# Altium PCB 400151.PcbDoc (part 2 of 2)
Units mil, origin at the board's own origin, x right, y up, seen from the top; angles counter-clockwise.
Board outline 2639.89 x 2761.94 mil, 4 copper layers (Top Layer, Mid-Layer 1, Mid-Layer 2, Bottom Layer), stack 61.6 mil thick; 144 components, 111 nets, 444 pads, 265 vias.
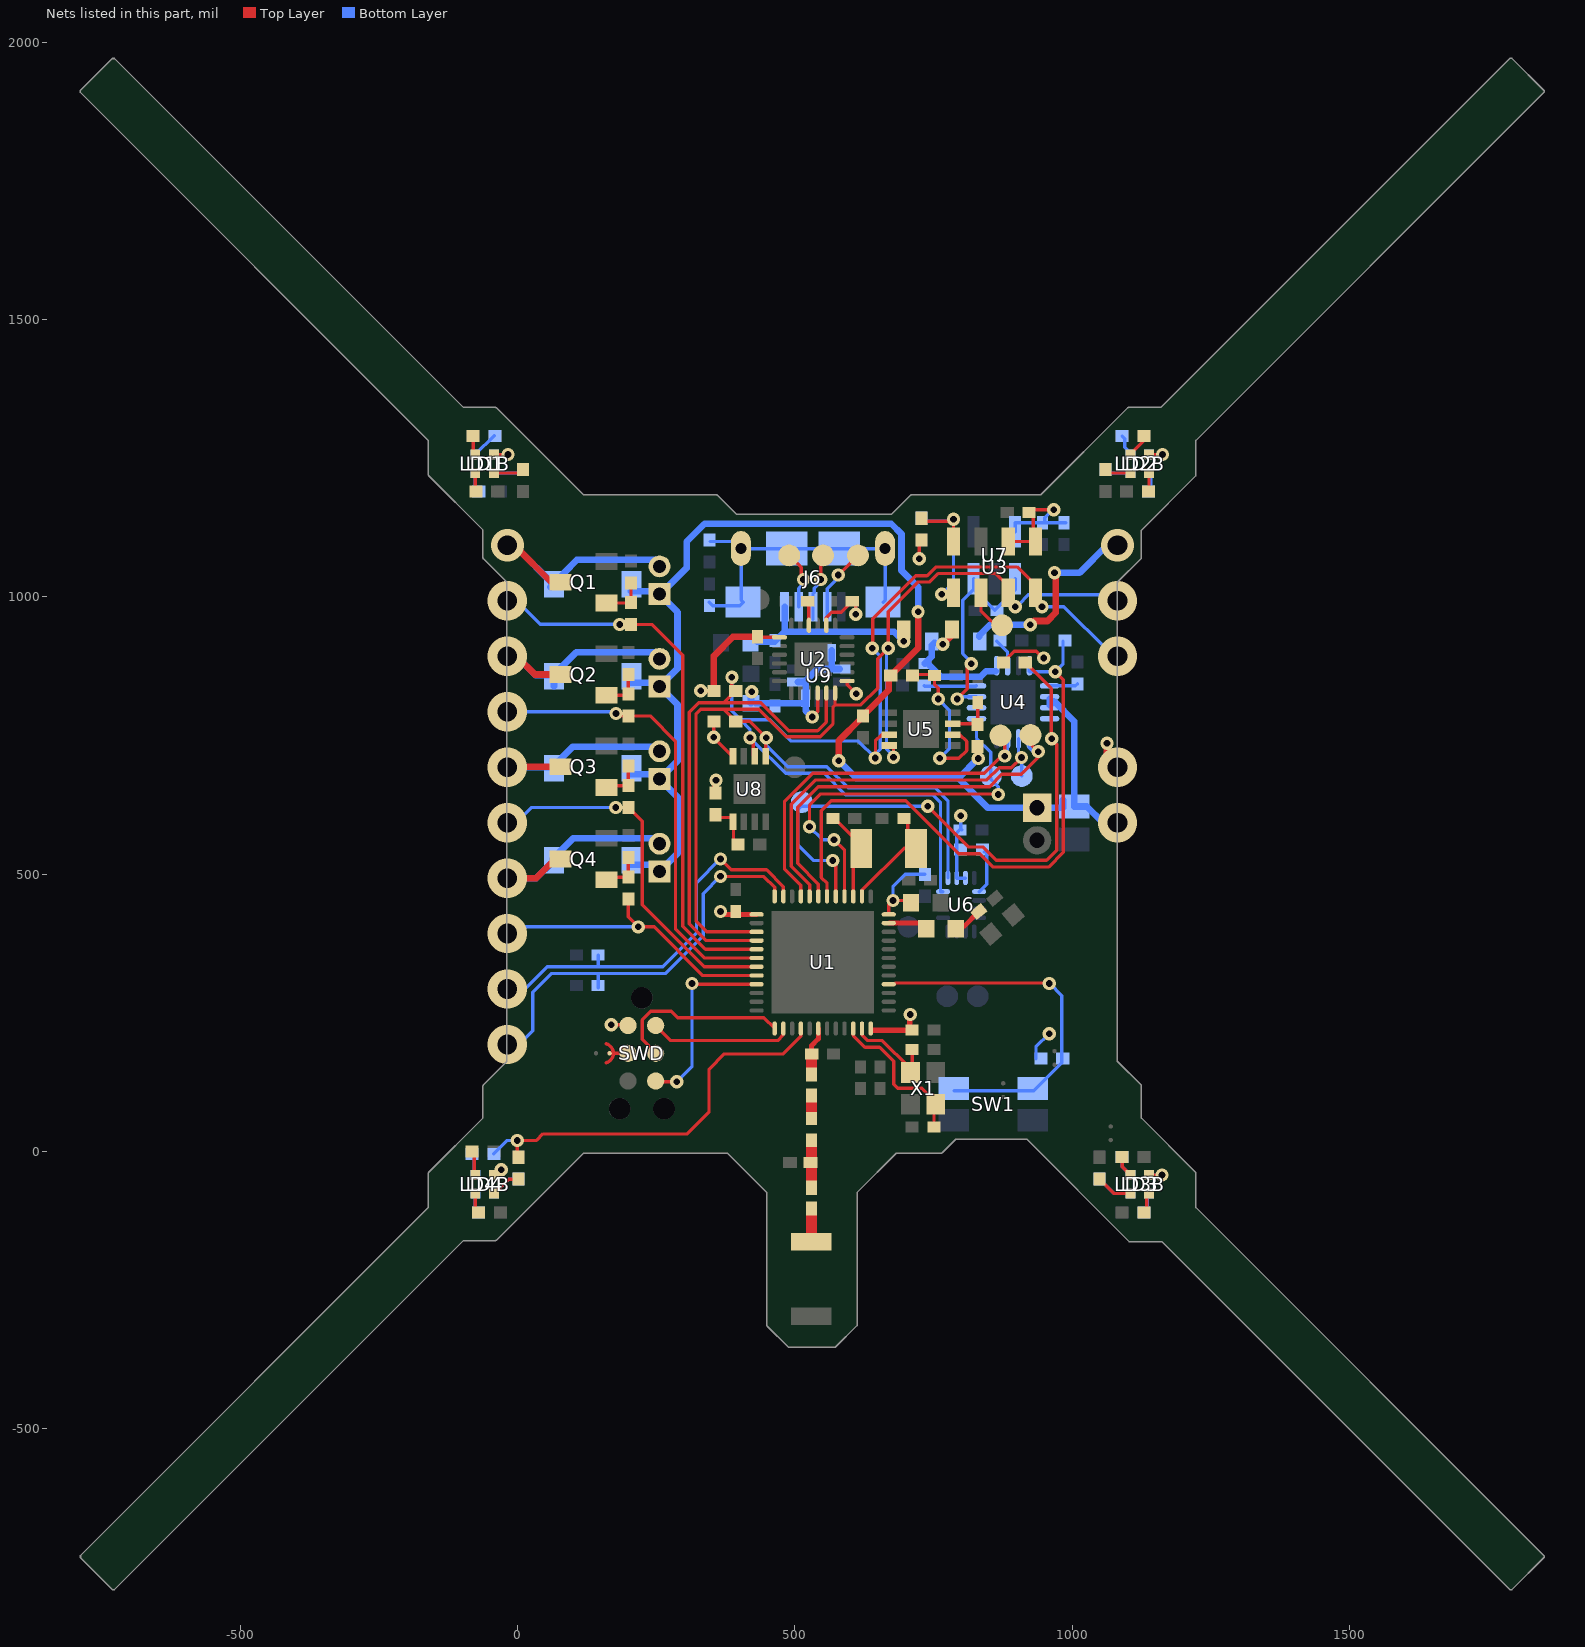
[diagram p4: the nets of this part, all layers, seen from the top]

## Via types
v1: diameter 24, hole 12, Top Layer to Bottom Layer, tented both sides, 222 vias
v2: diameter 70.87, hole 35.43, Top Layer to Bottom Layer, 18 vias
v3: diameter 25.98, hole 12.99, Top Layer to Bottom Layer, tented both sides, 16 vias
v4: diameter 59.06, hole 35.43, Top Layer to Bottom Layer, 5 vias
v5: diameter 24, hole 12, Top Layer to Bottom Layer, 4 vias

## Nets (pads, with @x,y where several pads share a name; then routed paths per layer and width w, separated by ;. In a path a pad name is that pad's centre, name@x,y a point inside that pad or via, vN(x,y) a via of type N, cw(c..) or ccw(c..) an arc to the next point about the centre after c; other vN are vias at no path point) (continued)
LED4_RED: R33.1 R33B.1 U1.28 | length 730.9
  Top Layer w6: R33.1@0,-10.32 v1(0,20) 34.53,20 46.21,31.68 306.05,31.68 345.66,71.29 345.66,148.69 372.97,176 479.2,176 511.13,207.93 U1.28@511.13,221.91
  Bottom Layer w6: R33B.1@-42.32,-4 -18.32,20 v1(0,20)
M1: D1.1 J1.2 Q1.3 | length 450.8
  Top Layer w12: v4@-7.29,1085 -2.22,1089.82 61.18,1026.42 Q1.3@77.9,1026.42 Q1.3@80,1024.32
  Bottom Layer w12: v4@-7.29,1085 2.6,1085 64.23,1023.37 66.04,1025.67 D1.1@66.04,1023.01 ; D1.1@62.5,1022.5 59.86,1017.86 107.47,1066.93 251.7,1066.93 256.4,1062.23 J1.2@256.4,1055
  other v4: -18,1093
M2: D2.1 J2.2 Q2.3 | length 422.7
  Top Layer w12: v2@-1.29,893 31.63,860.08 Q2.3@77.9,860.08
  Bottom Layer w12: v2@-1.29,893 33.14,858.58 64.48,858.58 D2.1@66.04,857.01 D2.1@66.04,838.96 ; D2.1@55,860 65.9,860 105.9,900 256.4,900 J2.2@256.4,888.33
  other v2: -18,893
M3: D3.1 J3.2 Q3.3 | length 377.6
  Top Layer w12: v2@-11.13,693 v2@-10.39,693.74 ; v2@-0.55,693.74 Q3.3@77.9,693.74 Q3.3@85,700.84
  Bottom Layer w12: v2@-1.29,693 59.01,693 D3.1@61,691 ; D3.1@66.04,691 D3.1@61,691 ; J3.2@256.4,721.67 256.4,730 100,730 D3.1@61,691
  other v2: -18,693
M4: D4.1 J4.2 Q4.3 | length 400.3
  Top Layer w6: Q4.3@76.04,529.26 Q4.3@77.9,527.4
  Top Layer w12: v2@-1.29,493 34,493 68.4,527.4 Q4.3@77.9,527.4
  Bottom Layer w12: v2@-1.29,493 34.04,493 63.3,522.26 D4.1@63.3,527.4 ; D4.1@66.04,525 63.64,527.4 D4.1@63.3,527.4 ; J4.2@256.4,555 256.4,565 100.9,565 D4.1@63.3,527.4
  other v2: -18,493
MOTOR1: R2.1 U1.17 | length 974.5
  Top Layer w6: v1(184.68,950.31) R2.1@205,950.31 ; R2.1@210,950.31 242.68,950.31 298,895 298,405.79 339.17,364.62 U1.17@431.41,364.62
  Bottom Layer w6: v2@-1.29,993 41.29,950.42 184.58,950.42 v1(184.68,950.31)
  other v2: -18,993
MOTOR2: R3.1 U1.18 | length 811.7
  Top Layer w6: v1@177.43,790 v1(177.75,789.68) 177.75,787.25 179.68,785.31 R3.1@200,785.31 ; R3.1@205,785.31 239.42,785.31 285.08,739.66 285.08,709.78 285,709.7 285,695.16 285.08,695.08 285.08,648.25 285,648.17 285,566.96 285.08,566.88 285.08,543.12 285,543.04 285,528.5 285.08,528.41 285.08,401.73 337.94,348.87 U1.18@431.41,348.87
  Bottom Layer w6: v2@-1.29,793 174.43,793 v1(177.75,789.68)
  other v2: -18,793
MOTOR3: R6.1 U1.19 | length 655.7
  Top Layer w6: v1@172.43,625 v1(177.11,620.31) R6.1@200,620.31 ; R6.1@205,620.31 205,615.31 225,595.31 225,444.85 336.72,333.13 U1.19@431.41,333.13
  Bottom Layer w6: v2@-1.29,593 26.03,620.31 v1(177.11,620.31)
  other v2: -18,593
MOTOR4: R7.1 U1.20 | length 533.8
  Top Layer w6: R7.1@205,455.31 200,450.31 200,423 v1(218,405) 246.57,405 334.2,317.38 U1.20@431.41,317.38
  Bottom Layer w6: v2@-1.29,393 10.71,405 v1(218,405)
  other v2: -18,393
NetA1_1: A1.1 L4.2 | length 60.6
  Top Layer w20: A1.1@530,-163.07 530.5,-162.57 L4.2@530.5,-102.64
NetC3_2: C3.2 L1.1 U1.30 | length 86.6
  Top Layer w9: C3.2@530.43,175.68 530.43,191.01 542.63,203.21 U1.30@542.63,221.91
  Top Layer w20: L1.1@530.63,140.69 C3.2@530.63,176
NetC16_1: C16.1 D5.3 D6.3 U4.13 | length 210.4
  Top Layer w12: v1(766.73,914.37) 783.46,931.11 D6.3@783.46,937.01
  Bottom Layer w12: C16.1@734.65,880 747.05,892.39 747.05,912.4 D5.3@751.97,917.32 ; C16.1@740,880 764.03,855.96 835.29,855.96 845.47,866.14 U4.13@862.2,866.14
NetC18_2: C18.2 R30.2 U5.2 | length 315.3
  Top Layer w6: R30.2@712.6,860 751.97,860 751.97,842.52 759,835.49 v1(759,816) ; v1(761.61,709.13) 796.13,709.13 810,723 810,739.34 797.53,751.81 U5.2@784.8,751.81
  Bottom Layer w6: v1@757.49,705 v1(761.61,709.13) 779,726.51 779,796 v1(759,816)
NetC19_2: C19.2 J6.6@403.08,1087.31 J6.6@407.02,990.86 J6.6@485.76,1087.31 J6.6@580.24,1087.31 J6.6@658.98,990.86 J6.6@662.92,1087.31 R12.2 | length 584.2
  Bottom Layer w6: C19.2@346.22,990.47 352.43,984.25 401.33,984.25 J6.6@407.52,990.43 ; R12.2@347.2,1100 390.47,1100 J6.6@403.58,1086.89 ; J6.6@407.48,990.47 403.58,994.37 J6.6@403.58,1086.89 ; J6.6@659.48,990.43 663.42,994.37 663.42,1086.89 J6.6@403.58,1086.89
NetC22_2: C22.2 R24.1 U5.3 | length 84.6
  Top Layer w6: U5.3@784.8,771.5 829.85,771.5 829.85,808.5 C22.2@831.66,810.31
NetC25_2: C25.2 U2.10 | length 40
  Top Layer w6: C25.2@521.65,987.2 525.59,983.27 U2.10@525.59,948.82
NetC29_2: C29.2 L4.1 L5.2 | length 82
  Top Layer w20: L4.1@530.5,-65.24 L5.2@530.5,-21.8 ; L5.2@530.5,-18.2 C29.2@530.5,20.31
NetJ6_2: J6.2 TP17.1 | length 111.9
  Top Layer w6: TP17.1@488.19,1076.77 511.81,1053.15 511.81,1031.5 v1(515.75,1031.5)
  Bottom Layer w6: J6.2@507.41,982 507.41,1015.28 515.75,1023.62 v1(515.75,1031.5)
NetJ6_3: J6.3 TP16.1 | length 126.1
  Top Layer w6: TP16.1@535.43,1074.8 547.24,1062.99 v1(547.24,1031.5)
  Bottom Layer w6: J6.3@533,959.5 J6.3@533,982 533,1005.44 535.43,1007.87 535.43,1015.75 543.31,1023.62 543.31,1027.56 v1(547.24,1031.5)
NetJ6_4: J6.4 TP2.1 | length 137.4
  Top Layer w6: v1(578.74,1039.37) 606.3,1066.93 TP2.1@598.43,1074.8
  Bottom Layer w6: J6.4@558.59,960.41 J6.4@558.59,982 558.59,1014.56 578.74,1034.71 v1(578.74,1039.37)
NetL2_1: L2.1 L3.2 | length 59.4
  Top Layer w9: L2.1@786.42,409.45 L2.1@790.35,405.51 ; L2.1@789.62,405.51 L2.1@790.35,405.51 ; L3.2@832.13,432.86 804.78,405.51 L2.1@790.35,405.51
NetL2_2: L2.2 U1.47 | length 62.5
  Top Layer w9: U1.47@670.8,411.87 L2.2@733.27,411.87
NetLD1_1: LD1.1 R10.2 | length 54.9
  Top Layer w6: LD1.1@-42.32,1223.43 3.74,1223.43 R10.2@10,1229.69
NetLD1_2: LD1.2 R11.2 | length 24.7
  Top Layer w6: R11.2@-79.69,1280 -79.69,1260.79 LD1.2@-75.79,1256.89
NetLD1_3: LD1.3 R15.2 | length 36
  Top Layer w6: LD1.3@-75.79,1223.43 -75.79,1196.1 R15.2@-69.69,1190
NetLD1B_1: LD1B.1 R10B.2 | length 48
  Bottom Layer w6: LD1B.1@-75.79,1256.89 R10B.2@-41.83,1290.85
NetLD1B_2: LD1B.2 R11B.2 | length 54.9
  Bottom Layer w6: LD1B.2@-42.33,1223.42 3.74,1223.42 R11B.2@10,1229.69
NetLD1B_3: LD1B.3 R15B.2 | length 36
  Bottom Layer w6: LD1B.3@-75.79,1223.42 -75.79,1196.11 R15B.2@-69.69,1190
NetLD2_1: LD2.1 R16.2 | length 33.8
  Top Layer w6: LD2.1@1138.78,1223.43 1138.78,1190.91 R16.2@1139.69,1190
NetLD2_2: LD2.2 R17.2 | length 43.2
  Top Layer w6: LD2.2@1105.31,1256.89 1129.69,1281.26 R17.2@1129.69,1290
NetLD2_3: LD2.3 R18.2 | length 47.9
  Top Layer w6: R18.2@1060,1229.69 1066.26,1223.43 LD2.3@1105.31,1223.43
NetLD2B_1: LD2B.1 R16B.2 | length 40.7
  Bottom Layer w6: R16B.2@1090.31,1290 1095,1285.31 1095,1270 LD2B.1@1108.27,1256.73
NetLD2B_2: LD2B.2 R17B.2 | length 34.1
  Bottom Layer w6: R17B.2@1139.69,1190 1141.73,1192.05 LD2B.2@1141.73,1223.27
NetLD2B_3: LD2B.3 R18B.2 | length 50.9
  Bottom Layer w6: R18B.2@1060,1229.69 1066.42,1223.27 LD2B.3@1108.27,1223.27
NetLD3_1: LD3.1 R28.2 | length 38.6
  Top Layer w6: R28.2@1130.3,-110 R28.2@1129.69,-110 1135,-104.69 1135,-79.57 LD3.1@1138.78,-75.79
NetLD3_2: LD3.2 R31.2 | length 38.5
  Top Layer w6: R31.2@1090.31,-10 1090.31,-27.32 LD3.2@1105.31,-42.32
NetLD3_3: LD3.3 R32.2 | length 66.1
  Top Layer w6: R32.2@1050,-49.69 1076.1,-75.79 LD3.3@1105.31,-75.79
NetLD3B_1: LD3B.1 R28B.2 | length 38.5
  Bottom Layer w6: R28B.2@1090.31,-10 1090.31,-27.31 LD3B.1@1105.27,-42.27
NetLD3B_2: LD3B.2 R31B.2 | length 38
  Bottom Layer w6: R31B.2@1129.69,-110 1135.83,-103.86 1135.83,-78.64 LD3B.2@1138.73,-75.73
NetLD3B_3: LD3B.3 R32B.2 | length 66.1
  Bottom Layer w6: R32B.2@1050,-49.69 1076.05,-75.73 LD3B.3@1105.27,-75.73
NetLD4_1: LD4.1 R33.2 | length 53.1
  Top Layer w6: LD4.1@-42.32,-75.79 -42.09,-75.79 -15.99,-49.69 R33.2@0,-49.69
NetLD4_2: LD4.2 R34.2 | length 40.8
  Top Layer w6: R34.2@-81.69,-4 -78,-7.69 -78,-40.11 LD4.2@-75.79,-42.32
NetLD4_3: LD4.3 R35.2 | length 36.6
  Top Layer w6: LD4.3@-75.79,-75.79 -75.79,-104.21 R35.2@-70,-110
NetLD4B_1: LD4B.1 R33B.2 | length 40.7
  Bottom Layer w6: R33B.2@-81.69,-4 -78,-7.69 -78,-40 LD4B.1@-75.73,-42.27
NetLD4B_2: LD4B.2 R34B.2 | length 53.1
  Bottom Layer w6: LD4B.2@-42.27,-75.73 -42.03,-75.73 -15.99,-49.69 R34B.2@0,-49.69
NetLD4B_3: LD4B.3 R35B.2 | length 36.6
  Bottom Layer w6: LD4B.3@-75.73,-75.73 -75.73,-104.27 R35B.2@-70,-110
NetQ1_1: Q1.1 R2.2 R4.2 | length 89.4
  Top Layer w6: Q1.1@160.58,989.01 205.86,989.01 206.86,990.01 204.72,992.15 204.72,1028.51 R4.2@207.04,1030.83
NetQ2_1: Q2.1 R3.2 R5.2 | length 82.9
  Top Layer w6: Q2.1@160.58,822.68 200,822.68 200,856.78 R5.2@206.02,862.81 ; R3.2@206.46,823.91 R3.2@207.04,824.49
NetQ3_1: Q3.1 R6.2 R8.2 | length 85.1
  Top Layer w6: Q3.1@160.58,656.34 163.69,659.45 203.08,659.45 200,662.53 200,689.78 R8.2@206.86,696.63
NetQ4_1: Q4.1 R7.2 R9.2 | length 81.8
  Top Layer w6: Q4.1@160.58,490 165.26,494.69 201.67,494.69 200,496.36 200,522.77 R9.2@207.04,529.81
NetR1_1: R1.1 U4.12 | length 94.4
  Bottom Layer w6: R1.1@733.67,840 734.67,839 826.26,839 U4.12@827.26,840
NetR21_1: R21.1 U4.14 | length 52.1
  Bottom Layer w6: R21.1@864.3,920 883.83,900.47 U4.14@883.83,875.94
NetR22_1: R22.1 U6.1 | length 81.3
  Bottom Layer w6: U6.1@832.48,468.62 846,482.14 846,540 R22.1@841.67,540
NetR23_2: R23.2 U4.1 | length 52
  Bottom Layer w6: U4.1@959.62,839.53 1006.21,839.53 R23.2@1010,843.31
NetR37_1: R37.1 R38.2 U3.4 U3.5 | length 334.6
  Top Layer w6: R37.1@725,1144.68 730,1144.68 738.2,1136.48 783.13,1136.48 v1(786.42,1139.76) 786.42,1118.11 785.15,1116.85 786.64,1115.35 U3.4@786.64,1100
  Top Layer w10: v1(765,1005) 767.48,1007.48 U3.5@786.64,1007.48
  Bottom Layer w6: R38.2@730,1144.69 738.2,1136.48 783.13,1136.48 v1(786.42,1139.76) 786.42,1026.42 v1(765,1005)
NetR39_1: R39.1 R40.2 U8.1 | length 74.1
  Top Layer w6: R39.1@366.14,602.36 389.76,602.36 389.76,562.99 R40.2@397.64,555.12
NetSB1_1: SB1.1 SWD.3 | length 34.1
  Top Layer w6: SB1.1@165.35,177.17 SWD.3@199.41,177.17
NetTP18_1: TP18.1 U3.6 | length 86.3
  Top Layer w6: U3.6@835.86,1007.48 835.86,975.14 TP18.1@874,937
NFC1: C27.1 U1.11 | length 690.1
  Top Layer w6: v1(366.14,527.56) 385.83,507.87 449.23,507.87 479.63,477.47 U1.11@479.63,460.09
  Bottom Layer w6: v2@-1,293 13.47,293 53.47,333 145.67,333 ; C27.1@145.67,354.33 145.67,333 ; v1(366.14,527.56) 323,484.42 323,394.1 261.9,333 145.67,333
  other v2: -18,293
NFC2: C28.2 U1.12 | length 725.8
  Top Layer w6: v1(366.14,496.06) 366.33,495.87 444.26,495.87 463.89,476.25 U1.12@463.89,460.09
  Bottom Layer w6: v2@-10.84,193 v2@-6.84,193 ; v2@3,193 27.56,217.56 27.56,287.4 61.16,321 145.67,321 ; C28.2@145.67,295.28 145.67,321 ; v1(366.14,496.06) 335,464.92 335,389.13 266.87,321 145.67,321
  other v2: -18,193
PM_CH_EN: R36.1 TP9.1 U1.5 U4.4 | length 1132.3
  Top Layer w6: v1(568.9,524.61) 574.12,519.38 U1.5@574.12,460.09 ; v1@745.16,617.21 813.2,549.17 838.83,549.17 863,525 954.13,525 972.44,543.31 972.44,734.56 v1@962.68,744.31 ; R36.1@915.68,882 962.68,835 v1@962.68,744.31 ; v1(963.63,744.13) 962.87,744.13 v1@962.68,744.31
  Bottom Layer w6: v1(568.9,524.61) 534.45,524.61 505.57,553.48 505.57,615.81 512.28,622.51 v1(739.86,622.51) v1@743.11,619.27 ; v1@956.37,742 v1@958.55,744.18 ; v1@962.68,748.31 v1@958.55,744.18 ; v1@963,744 U4.4@963,780.09 ; v1(963.63,744.13) 958.6,744.13 v1@958.55,744.18
PM_CHG: TP8.1 U1.4 U4.9 | length 704.9
  Top Layer w6: v1(526.57,585.63) 526.57,624.02 547.24,644.68 866.14,644.68 v1(867.13,643.7) ; v1(570.87,562.01) 589.9,542.98 U1.4@589.87,460.09
  Bottom Layer w6: v1(526.57,585.63) 550.2,562.01 v1(570.87,562.01) ; U4.9@827.73,780.47 827.73,745.54 853.56,719.71 853.56,671.04 867.13,657.48 v1(867.13,643.7)
PM_EN1: TP12.1 U1.8 U4.6 | length 702.8
  Top Layer w6: U1.8@526.88,460.09 526.88,481.14 493.57,514.44 493.57,625.94 537.53,669.9 538.52,669.9 ; 538.55,669.93 555.94,669.93 846.68,669.93 868.76,692 890.65,692 v1(909,710.35)
  Bottom Layer w6: U4.6@903.51,744.06 903.51,714.15 v1@908.98,708.68 ; v1@909,708.71 v1(909,710.35) 909.45,709.9 TP12.1@909.45,677.17
PM_EN2: TP11.1 U1.7 U4.5 | length 728.6
  Top Layer w6: U1.7@542.63,460.09 542.63,482.36 505.57,519.41 505.57,620.97 542.5,657.9 543.49,657.9 ; 543.52,657.93 550.97,657.93 ; 551,657.9 566.12,657.9 ; 566.15,657.93 851.65,657.93 873.73,680 908.35,680 939,710.65 v1(939,721.11) 923,737.11 TP11.1@923,751
  Bottom Layer w6: U4.5@923.2,744.06 923.2,727.8 929.89,721.11 v1(939,721.11)
PM_ISET: R20.1 U1.6 U4.16 | length 1112.9
  Top Layer w6: U1.6@558.37,460.09 558.37,483.59 547.9,494.06 547.9,614.83 565.76,632.68 699.99,632.68 795.5,537.17 833.86,537.17 858.03,513 957.69,513 984.5,539.81 984.5,735.3 984.48,850.52 v1(970,865)
  Bottom Layer w6: U4.16@923.2,875.94 923.2,865.8 924,865 v1(970,865) 983.67,878.67 R20.1@983.67,920
PM_PGOOD: TP10.1 U1.9 U4.7 | length 709.8
  Top Layer w6: U1.9@511.13,460.09 511.13,479.92 481.57,509.47 481.57,630.91 532.69,682.03 622.92,682.03 623.02,681.93 841.71,681.93 872.79,713 v1(879,713) TP10.1@879,742 ; TP10.1@879,742 TP10.1@871,750 TP10.1@879,742
  Bottom Layer w6: v1@878.33,708.34 v1@879,709.01 ; v1(879,713) v1@879,709.01 ; U4.7@883.83,744.06 883.83,717.83 885.83,715.83 v1@879,709.01
RF: C29.1 L1.2 | length 41.1
  Top Layer w20: C29.1@530.5,60.18 L1.2@530.5,101.3
SCL: R13.1 U1.16 U2.23 U3.8 U5.7 U6.12 U8.6 | length 2749.6
  Top Layer w6: v1(386.81,855.31) 386.81,837.6 R13.1@393.7,830.71 400.59,823.82 386.81,823.82 372.24,809.24 ; v1(419.31,746.1) 425.2,740.21 425.2,715.55 U8.6@428.15,712.6 ; U1.16@431.41,380.37 340.39,380.37 310,410.76 310,792.09 327.15,809.24 372.24,809.24 ; U2.23@557.09,826.77 557.09,774.41 541.25,758.58 489.26,758.58 438.6,809.24 372.24,809.24 ; v1(639.8,907.52) 640.75,908.48 640.75,960.63 718.07,1037.95 738.7,1037.95 754.82,1054.07 807.15,1054.07 807.22,1054 815.28,1054 815.35,1054.07 900.93,1054.07 U3.8@934.28,1020.72 ; v1(645.39,709.66) 645.67,709.94 645.67,740.62 656.86,751.81 U5.7@670.63,751.81
  Bottom Layer w6: v1(386.81,855.31) 386.81,794.29 402.33,778.78 ; v1@427.16,738.25 483.51,681.9 553.1,681.9 591.48,643.51 731.16,643.51 748.56,643.51 763.05,629.03 763.05,468.62 U6.12@767.52,468.62 ; v1@427.16,746.06 427.13,746.1 v1(419.31,746.1) 419.31,761.79 402.33,778.78 ; v1@639.8,707.71 639.8,702.76 645.39,708.35 v1(645.39,709.66) ; v1(639.8,907.52) 654.53,892.79 654.53,725.39 645.39,716.26 v1(645.39,709.66) ; v1(945.87,982.28) 985.35,982.28 1065,902.63 v2@1065,899.49 ; v2@1074.84,893.79 v2@1074.84,899.49 ; 402.33,778.78 454.96,778.78 493.57,740.16 614.9,740.16 v1(645.39,709.66)
  other v2: 1082,893
SDA: R14.1 U1.15 U2.24 U3.7 U5.8 U6.13 U8.5 | length 2422.8
  Top Layer w6: R14.1@384.84,784.45 372.05,797.24 ; R14.1@393.7,775.59 419.35,775.59 443.56,751.38 v1@451.44,751.38 ; U1.15@431.41,396.12 341.61,396.12 322,415.73 322,788.54 330.71,797.24 372.05,797.24 ; U8.5@447.83,712.6 447.83,739.19 v1@455.73,747.08 ; 572.83,805.12 U2.24@572.83,826.77 U2.24@572.83,833.13 ; v1@666.57,903.55 664.82,903.55 649.61,888.34 649.61,835.47 619.38,805.24 608.89,805.24 583.79,805.24 572.83,805.24 569.02,801.43 569.02,770.8 545.81,747.58 484.7,747.58 435.04,797.24 372.05,797.24 ; v1@668.79,906.81 668.79,973.12 722.62,1026.95 743.26,1026.95 758.37,1042.07 862.93,1042.07 885.07,1019.93 U3.7@885.07,1007.48 ; U5.8@670.63,732.13 678.15,732.13 v1(678.15,710.63)
  Bottom Layer w6: v1(448.84,746.1) 448.84,732.13 487.07,693.9 558.07,693.9 596.45,655.51 726.19,655.51 753.53,655.51 776.38,632.67 U6.13@776.38,493.23 ; v1@668.79,906.81 665.53,910.08 665.53,726.2 678.15,713.58 v1(678.15,710.63) ; v1@895.76,984.25 900.64,979.38 903.54,982.28 903.54,986.12 921.36,1003.94 1054.85,1003.94 1063.71,995.08 v2@1082,995.08 ; v1@897.68,981.35 v1@897.68,982.34
  other v1: 668.79,907.52 897.68,982.28
  other v2: 1082,993
SWDCLK: SWD.4 U1.25 | length 328.6
  Top Layer w6: SWD.4@249.41,177.17 249.41,178.17 224.91,202.67 224.91,237.31 240.55,252.95 277.41,252.95 288.91,241.45 444.34,241.45 U1.25@463.89,221.91
SWDIO: SWD.2 U1.26 | length 257.1
  Top Layer w6: SWD.2@249.41,227.17 276.46,200.11 469.24,200.11 479.63,210.5 U1.26@479.63,221.91
SWITCH_0: R25.2 SW1.1 U1.40 | length 659.1
  Top Layer w6: U1.40@669.59,301.63 679.58,301.63 681.95,304 958.66,304 v1@959.65,303.02
  Bottom Layer w6: SW1.1@787.13,109.54 931.39,109.54 981.63,159.78 981.63,281.03 v1@959.65,303.02
  other v1: 958.71,303.02
SWO: SWD.6 U1.21 | length 352.7
  Top Layer w6: SWD.6@249.41,127.17 250.59,125.98 v1(287.4,125.98) ; v1@311.02,301.63 U1.21@431.41,301.63 ; v1@311.02,306.77 v1(314.96,302.83)
  Bottom Layer w6: v1(287.4,125.98) 314.96,153.54 v1(314.96,302.83)
V_BAT: BAT.1 C17.1 D1.3 D2.3 D3.3 D4.3 J1.1 J2.1 J3.1 J4.1 R24.2 R29.2 R30.1 U4.2 U4.3 | length 2608.3
  Top Layer w12: v1(579.72,704.72) 579.72,740.95 620,781.23 620,782.4 669.29,831.69 669.29,854.33 R30.1@673.23,858.27 722.85,907.89 722.85,973.05 v1(722.48,973.43) ; v1(830.71,708.66) 830.71,729.36 R24.2@831.66,730.31
  Bottom Layer w12: D4.3@205,517 244.4,517 J4.1@256.4,505 288.83,537.43 288.83,639.24 J3.1@256.4,671.67 ; D3.3@205,680 248.06,680 J3.1@256.4,671.67 ; D2.3@205,845 J2.1@249.73,845 ; D1.3@205,1010 J1.1@251.4,1010 ; v1@582.68,701.77 611.45,673 795.05,673 ; v1(722.48,973.43) 722.48,1017.68 692.64,1047.52 692.64,1113.4 674.04,1132 337.71,1132 305.12,1099.41 305.12,1052.17 257.95,1005 J1.1@256.4,1005 288.83,972.57 288.83,870.76 J2.1@256.4,838.33 288.83,805.9 288.83,704.1 J3.1@256.4,671.67 ; v1(830.71,708.66) 795.05,673 ; U4.2@959.62,816 959.62,804.38 967.38,812.15 1003.94,775.59 C17.1@1003.94,624.02 ; C17.1@983.68,633.86 983.68,619.7 848.35,619.7 795.05,673 ; C17.1@1003.94,622.05 1026.57,622.05 1055.62,593 v2@1065,593
  other v2: 1082,593
VBUS: C20.2 C21.2 D6.1 J6.1 | length 328.9
  Bottom Layer w12: C20.2@432.32,919.49 463.78,919.49 481.3,937.01 679.61,937.01 v1@700.04,916.58 ; 481.82,939.96 J6.1@481.82,982 ; v1(696.85,919.77) v1@699.29,917.32
VBUS_PAD: D5.1 | length 348.1
  Top Layer w12: v1(925,950) 931.69,956.69 955.71,956.69 970.47,971.46 v1@970.47,1039.37 ; v1(968.5,1043.31) 972.44,1043.31 v1@973.42,1042.32
  Bottom Layer w12: D5.1@832.72,928.02 832.72,930.16 852.56,950 v1(925,950) ; v1(968.5,1043.31) 1013.31,1043.31 v4@1065,1095
  other v4: 1082,1093
VCOM: C13.2 U4.10 U4.11 U7.1 U7.3 | length 427.7
  Top Layer w6: v1(793,816) 811.16,834.16 811.16,874.02 816.59,879.45 v1(818.41,879.45) v1@821.34,879.45
  Bottom Layer w6: v1(793,816) 796.84,819.84 U4.11@827.73,819.84 U4.10@827.73,800.16 ; v1(818.41,879.45) 818.41,882.38 802.83,897.95 802.83,993.83 U7.3@822.6,1013.6 ; U7.3@822.6,1032.66 U7.3@822.6,1013.6 ; U7.1@897.4,1032.66 897.4,1012.56 860.52,975.68 U7.3@822.6,1013.6
VDD_NRF: C5.1 C8.1 C9.1 C14.2 C15.2 C23.2 C24.2 C26.1 C30.2 C31.2 C32.2 LD1.4 LD1B.4 LD2.4 LD2B.4 LD3.4 LD3B.4 LD4.4 LD4B.4 R13.2 R14.2 R19.2 R22.2 R25.1 R36.2 R37.2 R39.2 SWD.1 U1.13 U1.36 U1.48 U2.1 U2.8 U2.13 U2.22 U3.1 U3.2 U6.14 U6.15 U7.5 U8.8 U9.1 U9.5 U9.6 U9.10 | length 2037.3
  Top Layer w6: LD4.4@-42.32,-42.32 -30,-30 -29,-31 v1(-29,-33) ; LD1.4@-42.32,1256.89 v1(-16.89,1256.89) ; v1(169.29,228.35) 198.23,228.35 SWD.1@199.41,227.17 ; v1(330.71,830.71) R13.2@354.33,830.71 ; R14.2@354.33,775.59 354.33,746.06 U8.8@387.8,712.6 ; C23.2@433.07,928.15 434.06,927.17 U2.13@472.44,927.17 ; v1(531.5,783.46) 541.34,793.31 U2.22@541.34,826.77 ; U2.8@557.09,948.82 557.09,962.6 566.93,972.44 584.18,972.44 C24.2@603.87,992.12 C24.2@610.24,998.49 ; U2.1@594.49,848.43 594.49,841.85 v1(611.09,825.24) ; v1(610.24,968.5) C24.2@610.24,992.13 ; U1.48@669.59,427.61 669.59,445.18 v1(677.17,452.76) C9.1@703.43,452.76 ; v1(724.44,1068.95) 724.44,1093.92 727.36,1096.84 724.44,1099.76 R37.2@730,1105.31 ; R36.2@876.31,882 896.14,901.83 935.47,901.83 947.53,889.76 v1(948.82,889.76) 948.82,894.42 v1@946.12,897.12 ; U3.2@885.07,1100 U3.1@934.28,1100 930,1104.28 930,1144.68 C26.1@922.68,1152 927.68,1157 v1(967,1157) ; LD3.4@1138.78,-42.32 1138.83,-42.27 v1(1162.27,-42.27) ; LD2.4@1138.78,1256.89 1163.11,1256.89 v1(1163.27,1256.73)
  Top Layer w9: v1(366.34,432.81) 366.34,429.06 364.89,427.61 U1.13@431.41,427.61
  Top Layer w10: U1.36@640.02,219 707.82,219 707.82,246.31 v1(708.5,247)
  Top Layer w12: R13.2@354.33,830.71 354.33,893.7 388.78,928.15 C23.2@433.07,928.15 ; R39.2@357.28,646.65 357.28,668.31 v1(358.27,669.29) ; v1(1062.99,736.22) 1062.99,712.01 v2(1082,693)
  Top Layer w15: v1@362.59,432.81 v1(366.34,432.81)
  Bottom Layer w6: LD1B.4@-42.33,1256.89 v1(-16.89,1256.89) ; LD4B.4@-42.27,-42.27 -30,-30 -29,-31 v1(-29,-33) ; v1(677.17,452.76) 677.17,477.36 699.49,499.69 R19.2@735,499.69 ; U6.14@792.13,493 U6.15@807.65,493 ; v1(799.21,605.31) C30.2@799.21,582.04 ; C30.2@801.25,580 C30.2@799.21,582.04 ; U6.15@807.87,493.23 U6.14@792.13,493.23 792.13,574.81 799.21,581.9 C30.2@799.21,582.04 ; U7.5@897.4,1117.31 897.4,1133.69 C15.2@950.81,1133.69 ; R25.1@935.04,167.32 935.04,188.94 v1(958.71,212.61) v1@961.6,212.61 ; v1(967,1157) 965.07,1157 950.81,1142.74 C15.2@950.81,1133.69 ; C14.2@989.31,1133.69 C15.2@950.81,1133.69 ; LD3B.4@1138.73,-42.27 v1(1162.27,-42.27) ; LD2B.4@1138.73,1256.73 v1(1163.27,1256.73)
  Bottom Layer w12: C31.2@421.26,808.07 421.26,827.99 v1(422.51,829.24) ; C31.2@430.12,808.07 519.69,808.07 U9.5@519.69,820.87 ; U9.6@505.91,846.46 519.69,846.46 U9.5@519.69,820.87 ; U9.6@517.52,846.46 541.14,870.08 U9.1@580.71,870.08 ; v1(531.5,783.46) 519.69,795.27 U9.5@519.69,820.87 ; 566.93,870.08 U9.10@566.93,903.54
  other v1: 354.33,746.76
XC1: C1.1 U1.34 X1.1 | length 279.4
  Top Layer w6: U1.34@605.62,221.91 605.62,209.15 626.66,188.11 652.97,188.11 678.5,162.58 678.5,121 685.5,114 729.5,114 751.18,92.31 C1.1@751.18,44
XC2: C2.1 U1.35 X1.3 | length 178.3
  Top Layer w6: U1.35@621.37,221.91 621.37,210.5 631.76,200.11 657.94,200.11 706.5,151.55 X1.3@706.5,143.02 ; X1.3@703.94,140.46 711.82,148.34 C2.1@711.82,186
XL1: C11.1 U1.2 X2.1 | length 191.5
  Top Layer w6: U1.2@621.37,460.09 621.37,471.5 697.11,547.24 723.43,547.24 X2.1@724.41,548.23 ; X2.1@703.74,556.1 C11.1@703.74,601.38
XL2: C12.1 U1.3 X2.2 | length 158.1
  Top Layer w6: C12.1@577.26,594.98 X2.2@622.05,550.2 ; U1.3@605.62,460.09 605.62,523.93 624.02,542.32 X2.2@624.02,547.24
pads on no net: A1.2 J6.6@403.08,1087.31 J6.6@662.92,1087.31 SWD.0 U1.44 U2.0 U2.2 U2.3 U2.4 U2.5 U2.6 U2.14 U2.15 U2.16 U2.17 U2.19 U7.4 U8. U9.7

## Polygon pours and split planes (outlines as drawn)
GND on Top Layer "Top_Layer-GND" (solid, remove dead copper, pour order 11): -789.52,-730.49 cw(c-787.4,-728.35) -789.53,-726.21 -160.5,-97.18 -160.5,-39.37 cw(c-157.48,-39.37) -159.6,-37.23 -159.61,-37.24 -3.02,119.36 -3.02,1061.74 -159.14,1217.87 -159.13,1217.86 cw(c-157.01,1220) -160.02,1220 -160.02,1277.81 -789.53,1907.32 -789.52,1907.3 cw(c-787.4,1909.45) -789.52,1911.59 -789.53,1911.58 -730.48,1970.64 cw(c-728.35,1968.5) -726.2,1970.63 -726.21,1970.64 ccw(c-728.35,1968.5) -730.49,1970.63 -726.21,1970.64 -97.18,1341.6 -39.37,1341.6 cw(c-39.37,1338.58) -37.23,1340.7 -37.24,1340.71 119.36,1184.12 358.58,1184.12 cw(c358.58,1181.1) 360.72,1183.22 360.71,1183.23 396.95,1146.99 672.73,1146.99 708.97,1183.23 708.96,1183.22 cw(c711.1,1181.1) 711.1,1184.12 941.94,1184.12 cw(c944.88,1183.46) 945.84,1186.32 1097.87,1338.35 1097.86,1338.34 cw(c1100,1336.22) 1100,1339.24 1157.81,1339.24 1789.21,1970.64 1789.2,1970.63 cw(c1791.34,1968.5) 1791.34,1971.52 cw(c1791.34,1968.5) 1793.48,1970.63 1793.47,1970.64 1851.58,1912.53 1851.57,1912.54 cw(c1849.45,1910.39) 1852.46,1910.39 1852.46,1909.45 cw(c1849.45,1909.45) 1851.57,1907.31 1851.58,1907.32 1794.34,1850.07 cw(c1791.34,1850.39) 1793.46,1848.25 1793.47,1848.26 1223.49,1278.28 1223.49,1220 cw(c1220.47,1220) 1222.59,1217.86 1222.6,1217.87 1066.01,1061.27 1066.01,119.36 1222.6,-37.24 1222.59,-37.23 cw(c1220.47,-39.37) 1223.49,-39.37 1223.49,-97.18 1852.53,-726.21 1852.51,-726.2 cw(c1850.39,-728.35) 1853.41,-728.35 cw(c1850.39,-728.35) 1852.51,-730.49 1852.53,-730.48 1793.47,-789.53 cw(c1791.34,-787.4) 1789.2,-789.52 1789.21,-789.53 1162.69,-163.02 1104.88,-163.02 cw(c1104.88,-160) 1102.74,-162.12 1102.75,-162.13 942.76,-2.14 918.63,21.98 790.25,21.98 766.13,-2.13 766.14,-2.12 cw(c764,0) 764,-3.02 683.25,-3.02 613.25,-73.01 613.25,-311.76 cw(c610.24,-311.76) 612.36,-313.91 612.37,-313.9 574.13,-352.13 574.14,-352.12 cw(c572,-350) 572,-353.02 490,-353.02 cw(c490,-350) 487.86,-352.12 487.87,-352.13 450.62,-314.89 450.63,-314.9 cw(c452.76,-312.76) 449.74,-312.76 449.74,-74 378.75,-3.02 119.36,-3.02 -37.24,-159.61 -37.23,-159.6 cw(c-39.37,-157.48) -39.37,-160.5 -97.18,-160.5 -726.21,-789.53 cw(c-728.35,-787.4) -730.49,-789.52 -730.48,-789.53 -789.53,-730.48 cw(c-789.53,-730.49)
GND on Bottom Layer "Bottom_Layer-GND" (solid, remove dead copper, pour order 12): -789.52,-730.49 cw(c-787.4,-728.35) -789.53,-726.21 -160.5,-97.18 -160.5,-39.37 cw(c-157.48,-39.37) -159.6,-37.23 -159.61,-37.24 -3.02,119.36 -3.02,1061.74 -159.14,1217.87 -159.13,1217.86 cw(c-157.01,1220) -160.02,1220 -160.02,1277.81 -789.53,1907.32 -789.52,1907.3 cw(c-787.4,1909.45) -789.52,1911.59 -789.53,1911.58 -730.48,1970.64 cw(c-728.35,1968.5) -726.2,1970.63 -726.21,1970.64 ccw(c-728.35,1968.5) -730.49,1970.63 -726.21,1970.64 -97.18,1341.6 -39.37,1341.6 cw(c-39.37,1338.58) -37.23,1340.7 -37.24,1340.71 119.36,1184.12 358.58,1184.12 cw(c358.58,1181.1) 360.72,1183.22 360.71,1183.23 396.95,1146.99 672.73,1146.99 708.97,1183.23 708.96,1183.22 cw(c711.1,1181.1) 711.1,1184.12 941.94,1184.12 cw(c944.88,1183.46) 945.84,1186.32 1097.87,1338.35 1097.86,1338.34 cw(c1100,1336.22) 1100,1339.24 1157.81,1339.24 1789.21,1970.64 1789.2,1970.63 cw(c1791.34,1968.5) 1791.34,1971.52 cw(c1791.34,1968.5) 1793.48,1970.63 1793.47,1970.64 1851.58,1912.53 1851.57,1912.54 cw(c1849.45,1910.39) 1852.46,1910.39 1852.46,1909.45 cw(c1849.45,1909.45) 1851.57,1907.31 1851.58,1907.32 1794.34,1850.07 cw(c1791.34,1850.39) 1793.46,1848.25 1793.47,1848.26 1223.49,1278.28 1223.49,1220 cw(c1220.47,1220) 1222.59,1217.86 1222.6,1217.87 1066.01,1061.27 1066.01,119.36 1222.6,-37.24 1222.59,-37.23 cw(c1220.47,-39.37) 1223.49,-39.37 1223.49,-97.18 1852.53,-726.21 1852.51,-726.2 cw(c1850.39,-728.35) 1853.41,-728.35 cw(c1850.39,-728.35) 1852.51,-730.49 1852.53,-730.48 1793.47,-789.53 cw(c1791.34,-787.4) 1789.2,-789.52 1789.21,-789.53 1162.69,-163.02 1104.88,-163.02 cw(c1104.88,-160) 1102.74,-162.12 1102.75,-162.13 942.76,-2.14 918.63,21.98 790.25,21.98 766.13,-2.13 766.14,-2.12 cw(c764,0) 764,-3.02 683.25,-3.02 613.25,-73.01 613.25,-311.76 cw(c610.24,-311.76) 612.36,-313.91 612.37,-313.9 574.13,-352.13 574.14,-352.12 cw(c572,-350) 572,-353.02 490,-353.02 cw(c490,-350) 487.86,-352.12 487.87,-352.13 450.62,-314.89 450.63,-314.9 cw(c452.76,-312.76) 449.74,-312.76 449.74,-74 378.75,-3.02 119.36,-3.02 -37.24,-159.61 -37.23,-159.6 cw(c-39.37,-157.48) -39.37,-160.5 -97.18,-160.5 -726.21,-789.53 cw(c-728.35,-787.4) -730.49,-789.52 -730.48,-789.53 -789.53,-730.48 cw(c-789.53,-730.49)
VDD_NRF on Mid-Layer 2 "Mid_Layer_2-GND" (solid, remove dead copper, pour order 13): -789.52,-730.49 cw(c-787.4,-728.35) -789.53,-726.21 -160.5,-97.18 -160.5,-39.37 cw(c-157.48,-39.37) -159.6,-37.23 -159.61,-37.24 -3.02,119.36 -3.02,1061.74 -159.14,1217.87 -159.13,1217.86 cw(c-157.01,1220) -160.02,1220 -160.02,1277.81 -789.53,1907.32 -789.52,1907.3 cw(c-787.4,1909.45) -789.52,1911.59 -789.53,1911.58 -730.48,1970.64 cw(c-728.35,1968.5) -726.2,1970.63 -726.21,1970.64 ccw(c-728.35,1968.5) -730.49,1970.63 -726.21,1970.64 -97.18,1341.6 -39.37,1341.6 cw(c-39.37,1338.58) -37.23,1340.7 -37.24,1340.71 119.36,1184.12 358.58,1184.12 cw(c358.58,1181.1) 360.72,1183.22 360.71,1183.23 396.95,1146.99 672.73,1146.99 708.97,1183.23 708.96,1183.22 cw(c711.1,1181.1) 711.1,1184.12 941.94,1184.12 cw(c944.88,1183.46) 945.84,1186.32 1097.87,1338.35 1097.86,1338.34 cw(c1100,1336.22) 1100,1339.24 1157.81,1339.24 1789.21,1970.64 1789.2,1970.63 cw(c1791.34,1968.5) 1791.34,1971.52 cw(c1791.34,1968.5) 1793.48,1970.63 1793.47,1970.64 1851.58,1912.53 1851.57,1912.54 cw(c1849.45,1910.39) 1852.46,1910.39 1852.46,1909.45 cw(c1849.45,1909.45) 1851.57,1907.31 1851.58,1907.32 1794.34,1850.07 cw(c1791.34,1850.39) 1793.46,1848.25 1793.47,1848.26 1223.49,1278.28 1223.49,1220 cw(c1220.47,1220) 1222.59,1217.86 1222.6,1217.87 1066.01,1061.27 1066.01,119.36 1222.6,-37.24 1222.59,-37.23 cw(c1220.47,-39.37) 1223.49,-39.37 1223.49,-97.18 1852.53,-726.21 1852.51,-726.2 cw(c1850.39,-728.35) 1853.41,-728.35 cw(c1850.39,-728.35) 1852.51,-730.49 1852.53,-730.48 1793.47,-789.53 cw(c1791.34,-787.4) 1789.2,-789.52 1789.21,-789.53 1162.69,-163.02 1104.88,-163.02 cw(c1104.88,-160) 1102.74,-162.12 1102.75,-162.13 942.76,-2.14 918.63,21.98 790.25,21.98 766.13,-2.13 766.14,-2.12 cw(c764,0) 764,-3.02 683.25,-3.02 613.25,-73.01 613.25,-311.76 cw(c610.24,-311.76) 612.36,-313.91 612.37,-313.9 574.13,-352.13 574.14,-352.12 cw(c572,-350) 572,-353.02 490,-353.02 cw(c490,-350) 487.86,-352.12 487.87,-352.13 450.62,-314.89 450.63,-314.9 cw(c452.76,-312.76) 449.74,-312.76 449.74,-74 378.75,-3.02 119.36,-3.02 -37.24,-159.61 -37.23,-159.6 cw(c-39.37,-157.48) -39.37,-160.5 -97.18,-160.5 -726.21,-789.53 cw(c-728.35,-787.4) -730.49,-789.52 -730.48,-789.53 -789.53,-730.48 cw(c-789.53,-730.49)
GND on Mid-Layer 1 "Mid_Layer_1-GND" (solid, pour order 14): -789.52,-730.49 cw(c-787.4,-728.35) -789.53,-726.21 -160.5,-97.18 -160.5,-39.37 cw(c-157.48,-39.37) -159.6,-37.23 -159.61,-37.24 -3.02,119.36 -3.02,1061.74 -159.14,1217.87 -159.13,1217.86 cw(c-157.01,1220) -160.02,1220 -160.02,1277.81 -789.53,1907.32 -789.52,1907.3 cw(c-787.4,1909.45) -789.52,1911.59 -789.53,1911.58 -730.48,1970.64 cw(c-728.35,1968.5) -726.2,1970.63 -726.21,1970.64 ccw(c-728.35,1968.5) -730.49,1970.63 -726.21,1970.64 -97.18,1341.6 -39.37,1341.6 cw(c-39.37,1338.58) -37.23,1340.7 -37.24,1340.71 119.36,1184.12 358.58,1184.12 cw(c358.58,1181.1) 360.72,1183.22 360.71,1183.23 396.95,1146.99 672.73,1146.99 708.97,1183.23 708.96,1183.22 cw(c711.1,1181.1) 711.1,1184.12 941.94,1184.12 cw(c944.88,1183.46) 945.84,1186.32 1097.87,1338.35 1097.86,1338.34 cw(c1100,1336.22) 1100,1339.24 1157.81,1339.24 1789.21,1970.64 1789.2,1970.63 cw(c1791.34,1968.5) 1791.34,1971.52 cw(c1791.34,1968.5) 1793.48,1970.63 1793.47,1970.64 1851.58,1912.53 1851.57,1912.54 cw(c1849.45,1910.39) 1852.46,1910.39 1852.46,1909.45 cw(c1849.45,1909.45) 1851.57,1907.31 1851.58,1907.32 1794.34,1850.07 cw(c1791.34,1850.39) 1793.46,1848.25 1793.47,1848.26 1223.49,1278.28 1223.49,1220 cw(c1220.47,1220) 1222.59,1217.86 1222.6,1217.87 1066.01,1061.27 1066.01,119.36 1222.6,-37.24 1222.59,-37.23 cw(c1220.47,-39.37) 1223.49,-39.37 1223.49,-97.18 1852.53,-726.21 1852.51,-726.2 cw(c1850.39,-728.35) 1853.41,-728.35 cw(c1850.39,-728.35) 1852.51,-730.49 1852.53,-730.48 1793.47,-789.53 cw(c1791.34,-787.4) 1789.2,-789.52 1789.21,-789.53 1162.69,-163.02 1104.88,-163.02 cw(c1104.88,-160) 1102.74,-162.12 1102.75,-162.13 942.76,-2.14 918.63,21.98 790.25,21.98 766.13,-2.13 766.14,-2.12 cw(c764,0) 764,-3.02 683.25,-3.02 613.25,-73.01 613.25,-311.76 cw(c610.24,-311.76) 612.36,-313.91 612.37,-313.9 574.13,-352.13 574.14,-352.12 cw(c572,-350) 572,-353.02 490,-353.02 cw(c490,-350) 487.86,-352.12 487.87,-352.13 450.62,-314.89 450.63,-314.9 cw(c452.76,-312.76) 449.74,-312.76 449.74,-74 378.75,-3.02 119.36,-3.02 -37.24,-159.61 -37.23,-159.6 cw(c-39.37,-157.48) -39.37,-160.5 -97.18,-160.5 -726.21,-789.53 cw(c-728.35,-787.4) -730.49,-789.52 -730.48,-789.53 -789.53,-730.48 cw(c-789.53,-730.49)

## Keep-outs
Keep-Out Layer:
  lines w6: -29.53,147.64 -59.06,118.11 -59.06,68.9 -59.06,59.06 -157.48,-39.37 -157.48,-102.36 -785.43,-730.32 -728.35,-787.4 -98.43,-157.48 -39.37,-157.48 118.11,0 380,0 452.76,-72.76 452.76,-312.76 490,-350 572,-350 610.24,-311.76 610.24,-71.76 682,0 764,0 789,25 919.88,25 1104.88,-160 1163.94,-160 1791.34,-787.4 1848.43,-730.32 1220.47,-102.36 1220.47,-39.37 1122.05,59.06 1122.05,118.11 1095.16,145 1082.68,145 ; -10,1040 -28.19,1040 -59.06,1070.87 -59.06,1122.05 -157.48,1220.47 -157.48,1283.46 -785.43,1911.42 ; 1074.8,1045 1096.18,1045 1122.05,1070.87 1122.05,1102.36 1122.05,1121.57 1220.47,1220 1220.47,1283.46 1848.43,1911.42 1791.34,1968.5 1165.35,1342.52 1161.42,1338.58 1102.36,1338.58 1100,1336.22 944.88,1181.1 711.1,1181.1 676,1146 393.68,1146 358.58,1181.1 118.11,1181.1 -39.37,1338.58 -98.43,1338.58 -728.35,1968.5 -785.43,1911.42 ; -785.43,1911.42 -785.43,1911.42

## Other copper
Top Layer:
  pour cut-out: 885.83,637.8 905.51,637.8 905.51,641.73 885.83,641.73
  pour cut-out: 740.16,980.31 751.97,992.13 748.03,996.06 736.22,984.25
  pour cut-out: 487.5,116 487.5,224 601.5,224 601.5,116
  pour cut-out: 1097.27,119.36 1069.84,119.36 1069.84,1061.74 1097.27,1061.74
  pour cut-out: -6.13,119.36 -33.56,119.36 -33.56,1061.27 -6.13,1061.27
Mid-Layer 1:
  pour cut-out: -148.53,1270.58 -787.4,1909.45 -728.35,1968.5 -89.95,1330.1
  pour cut-out: 1150.47,1336.22 1160,1336.22 1791.34,1967.56 1847.9,1911 1848.84,1911 1848.84,1904.37 1216.78,1272.3
  pour cut-out: 1214.06,-92.02 1850.39,-728.35 1792.74,-786 1789.94,-786 1163.94,-160 1149.5,-160
  pour cut-out: -90.97,-154.03 -150.03,-94.97 -784,-729 -725,-788
  pour cut-out: 1097.27,119.36 1069.84,119.36 1069.84,1061.74 1097.27,1061.74
  pour cut-out: -6.13,119.36 -33.56,119.36 -33.56,1061.27 -6.13,1061.27
  pour cut-out: 723,-470 336.29,-470 336.29,-83.73 723,-83.73
  pour cut-out: 650,-90 449.74,-90 449.74,255 650,255
Mid-Layer 2:
  pour cut-out: -148.53,1270.58 -787.4,1909.45 -728.35,1968.5 -89.95,1330.1
  pour cut-out: 1150.47,1336.22 1160,1336.22 1791.34,1967.56 1847.9,1911 1848.84,1911 1848.84,1904.37 1216.78,1272.3
  pour cut-out: 1214.06,-92.02 1850.39,-728.35 1792.74,-786 1789.94,-786 1163.94,-160 1149.5,-160
  pour cut-out: -92.97,-152.03 -152.03,-92.97 -786,-727 -727,-786
  pour cut-out: 1097.27,119.36 1069.84,119.36 1069.84,1061.74 1097.27,1061.74
  pour cut-out: -6.13,119.36 -33.56,119.36 -33.56,1061.27 -6.13,1061.27
  pour cut-out: 724,-469 335.57,-469 335.57,-84 724,-84
  pour cut-out: 650,-90 449.74,-90 449.74,255 650,255
Bottom Layer:
  pour cut-out: 929.13,366.14 929.13,342.52 933.07,342.52 933.07,366.14
  pour cut-out: 472.44,674.21 494.09,652.56 494.09,649.61 497.05,652.56 475.39,674.21 475.39,675.2
  pour cut-out: 1097.27,119.36 1069.84,119.36 1069.84,1061.74 1097.27,1061.74
  pour cut-out: -6.13,119.36 -33.56,119.36 -33.56,1061.27 -6.13,1061.27

## Silkscreen, mask and mechanical layers (free items; w line width, h text height)
Top Overlay:
  circle w10: c311.02,1125.98 r14.2
  circle w10: c497.05,784.45 r14.2
  lines w6: -748.03,-688.98 -688.98,-748.03 ; -688.98,1929.13 -748.03,1870.08 ; -196.85,-137.8 -137.8,-196.85 ; -137.8,1377.95 -196.85,1318.9 ; 303.15,1157.48 311.02,1165.35 ; 311.02,1125.98 311.02,1153.54 311.02,1165.35 ; 318.9,1157.48 311.02,1165.35 ; 432.09,778.54 443.9,790.35 ; 432.09,790.35 443.9,778.54 ; 461.61,776.57 453.74,784.45 ; 461.61,792.32 453.74,784.45 ; 465.55,737.2 473.43,745.08 ; 473.43,752.95 473.43,745.08 ; 481.3,737.2 473.43,745.08 ; 489.17,745.08 497.05,737.2 ; 504.92,745.08 497.05,737.2 ; 1200.79,-196.85 1259.84,-137.8 ; 1200.79,1377.95 1259.84,1318.9 ; 1751.97,-748.03 1811.02,-688.98 ; 1751.97,1929.13 1810.08,1871.02 1811.02,1871.02 ; -748.03,1870.08 -748.03,1870.08 ; -196.85,1318.9 -196.85,1318.9 ; 453.74,784.45 497.05,784.45 497.05,737.2 ; 473.43,745.08 473.43,745.08
  text "FRONT" at 157.48,1114.17 h27
  text "M1" at 50.18,1074.8 h27 r90
  text "VBUS" at 1039.69,1047.24 h27 r90
  text "17" at 50.18,972.44 h27 r90
  text "SDA" at 1039.69,956.69 h27 r90
  text "M2" at 50.18,870.08 h27 r90
  text "SCL" at 1039.69,860 h27 r90
  text "19" at 50.18,771.65 h27 r90
  text "GND" at 1039.69,755.91 h27 r90
  text "3V" at 1039.69,673.23 h27 r90
  text "M3" at 50.18,669.29 h27 r90
  text "+" at 834.65,637.8 h27 r90
  text "20" at 50.18,570.87 h27 r90
  text "VBAT" at 1039.69,545 h27 r90
  text "M4" at 50.18,468.5 h27 r90
  text "IO0" at 1039.69,460 h27 r90
  text "16" at 43.31,374.02 h27 r40
  text "IO1" at 1039.69,365 h27 r90
  text "NFC2" at 43.31,271.65 h27 r40
  text "IO2" at 1039.69,260 h27 r90
  text "IO5" at 893.7,236.22 h27 r90
  text "NFC1" at 43.31,173.23 h27 r40
  text "IO3" at 1039.69,160 h27 r90
  text "GND" at 35.43,70.87 h27 r40
  text "IO4" at 1039.69,60 h27 r90
  text "ON/OFF" at 785,37 h27
Bottom Overlay:
  lines w6: -748.03,-688.98 -688.98,-748.03 ; -748.03,1870.08 -688.98,1929.13 ; -216.54,-157.48 -157.48,-216.54 ; -157.48,1397.64 -216.54,1338.58 ; 1220.47,-216.54 1279.53,-157.48 ; 1220.47,1397.64 1279.53,1338.58 ; 1751.97,-748.03 1811.02,-688.98 ; 1751.97,1929.13 1810.08,1871.02 1811.02,1871.02 ; -216.54,1338.58 -216.54,1338.58 ; 1279.53,1338.58 1279.53,1338.58
  text "M1" at 270,950 h27
  text "M2" at 270,780 h27
  text "M3" at 270,615 h27
  text "M4" at 270,450 h27
  text "SEMICONDUCTOR" at 450.23,157.4 h65 r270
  text "NORDIC" at 508.92,154.01 h150 r270
  text "0002ERHE" at 485,-295 h27 r270
  text "400151" at 533,-300 h80 r270
Mechanical 1:
  lines w6: -98.43,1338.58 -98.43,1338.58 ; -98.43,1338.58 -728.35,1968.5 -785.43,1911.42 -157.48,1283.46 -157.48,1220.47 -59.06,1122.05 -59.06,1070.87 -15.75,1027.56 -15.75,161.42 -59.06,118.11 -59.06,59.06 -157.48,-39.37 -157.48,-40 -157.48,-102.36 -785.43,-730.32 -728.35,-787.4 -98.43,-157.48 -40,-157.48 -39.37,-157.48 118.11,0 380,0 452.76,-72.76 452.76,-236.22 452.76,-312.76 490,-350 572,-350 610.24,-311.76 610.24,-236.22 610.24,-71.76 682,0 720,0 721,0 764,0 789,25 919.88,25 944.88,0 1104.88,-160 1163.94,-160 1791.34,-787.4 1848.43,-730.32 1220.47,-102.36 1220.47,-39.37 1122.05,59.06 1122.05,118.11 1078.74,161.42 1078.74,1027.56 1122.05,1070.87 1122.05,1121.57 1220.47,1220 1220.47,1283.46 1848.43,1911.42 1791.34,1968.5 1161.42,1338.58 1102.36,1338.58 944.88,1181.1 711.1,1181.1 676,1146 393.68,1146 358.58,1181.1 118.11,1181.1 -39.37,1338.58 -98.43,1338.58

## Dimensions
1848.43,-730.32 to 1848.43,1911.42 on Mechanical 3
-728.35,-787.4 to 1791.34,-787.4 on Mechanical 3
-18,93 to 1082,93 on Mechanical 3
764,0 to 944.88,1181.1 on Mechanical 3